# Altium PCB GE21_M1_pku_f100.PcbDoc (part 14 of 19) (continued)
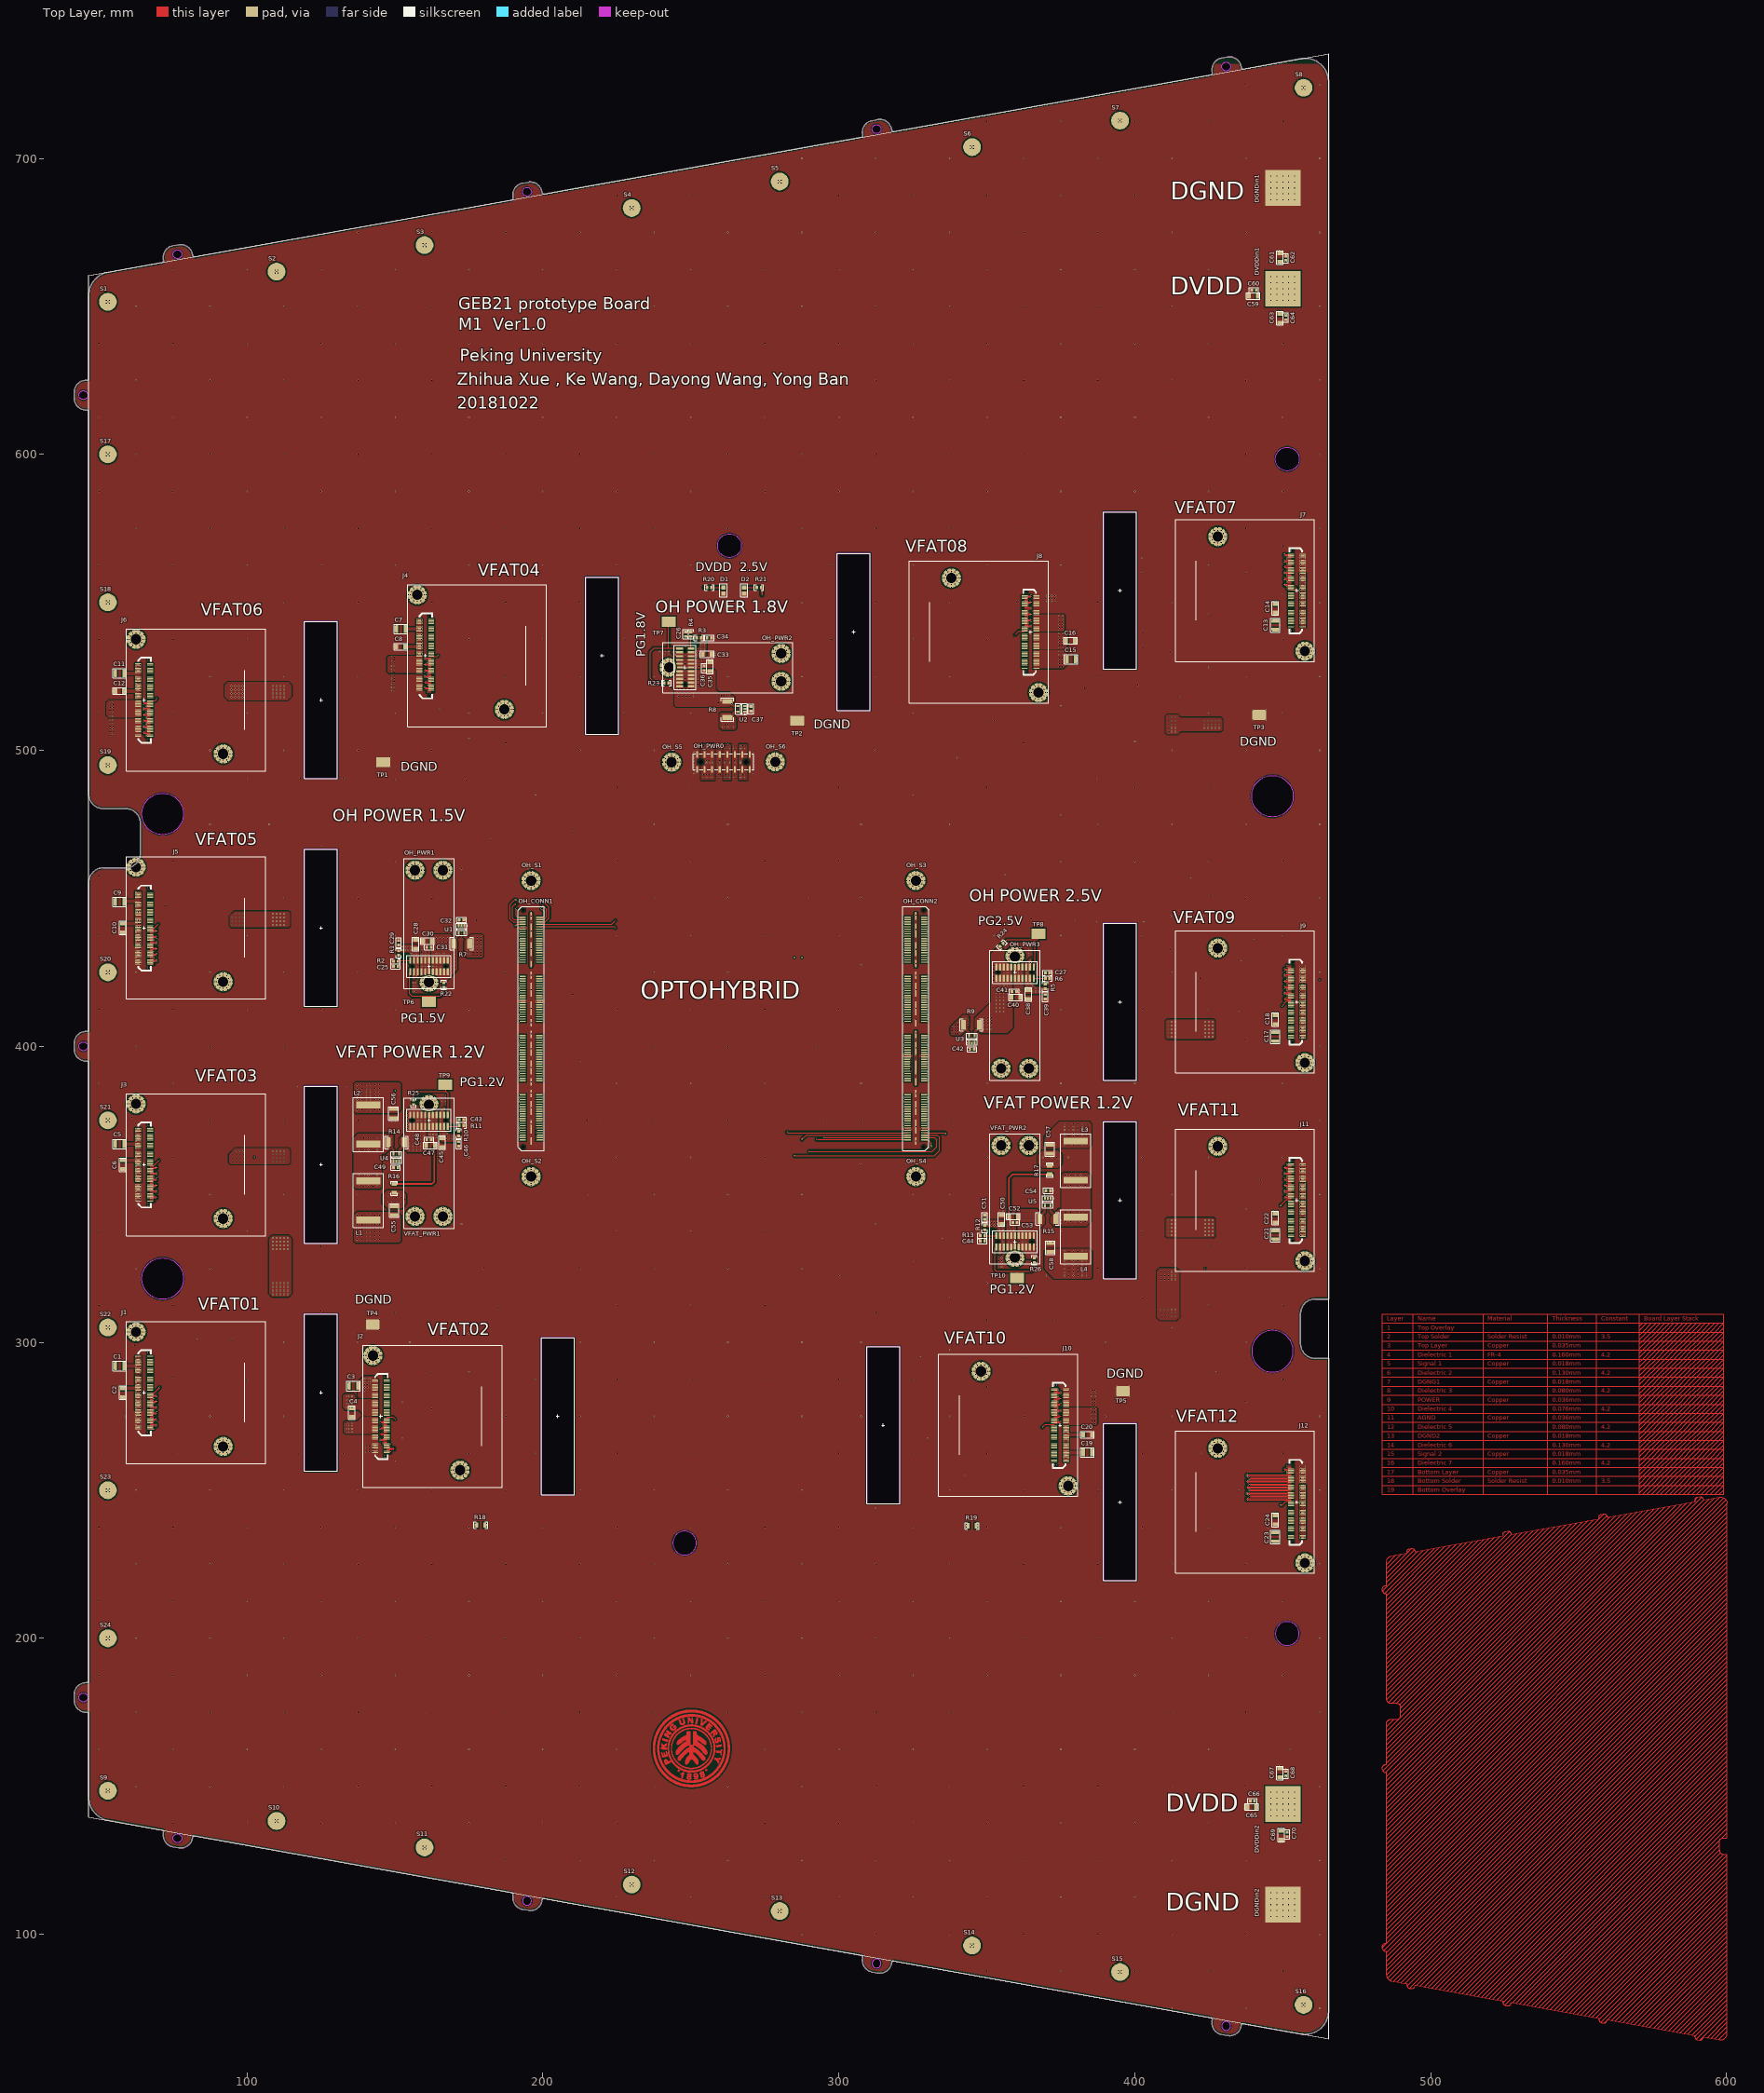
[diagram p0: Top Layer view]
## Nets (pads, with @x,y where several pads share a name; then routed paths per layer and width w, separated by ;. In a path a pad name is that pad's centre, name@x,y a point inside that pad or via, vN(x,y) a via of type N, cw(c..) or ccw(c..) an arc to the next point about the centre after c; other vN are vias at no path point) (continued)
; 249.671,152.95 250.128,152.95 ; 249.671,153.027 250.153,153.027 ; 249.671,153.052 250.153,153.052 ; 249.671,153.077 250.128,153.077 ; 249.671,153.103 250.128,153.103 ; 249.671,153.128 250.128,153.128 ; 249.671,153.154 250.102,153.154 ; 249.671,153.662 250.102,153.662 ; 249.671,154.068 250.128,154.068 ; 249.671,163.796 250.788,163.796 ; 249.671,172.28 250.712,172.28 ; 249.696,152.976 250.153,152.976 ; 249.696,153.001 250.153,153.001 ; 249.696,153.687 250.128,153.687 ; 249.696,153.712 250.128,153.712 ; 249.696,154.043 250.153,154.043 ; 249.696,154.855 250.636,154.855 ; 249.696,163.822 250.737,163.822 ; 249.696,170.832 250.661,170.832 ; 249.696,172.254 250.712,172.254 ; 249.721,153.738 250.153,153.738 ; 249.721,154.017 250.153,154.017 ; 249.721,172.229 250.712,172.229 ; 249.747,153.763 250.153,153.763 ; 249.747,153.789 250.153,153.789 ; 249.747,153.814 250.153,153.814 ; 249.747,153.966 250.153,153.966 ; 249.747,153.992 250.153,153.992 ; 249.747,163.847 250.687,163.847 ; 249.747,172.204 250.712,172.204 ; 249.772,153.839 250.179,153.839 ; 249.772,153.865 250.179,153.865 ; 249.772,153.89 250.179,153.89 ; 249.772,153.916 250.179,153.916 ; 249.772,153.941 250.153,153.941 ; 249.772,163.872 250.636,163.872 ; 249.772,172.153 250.712,172.153 ; 249.772,172.178 250.712,172.178 ; 249.798,172.127 250.712,172.127 ; 249.823,163.898 250.61,163.898 ; 249.823,172.077 250.712,172.077 ; 249.823,172.102 250.712,172.102 ; 249.848,172.051 250.712,172.051 ; 249.874,172.026 250.737,172.026 ; 249.899,163.923 250.585,163.923 ; 249.899,171.975 250.737,171.975 ; 249.899,172 250.737,172 ; 249.925,171.95 250.737,171.95 ; 249.95,171.899 250.737,171.899 ; 249.95,171.924 250.737,171.924 ; 249.975,171.848 250.737,171.848 ; 249.975,171.873 250.737,171.873 ; 250.001,163.949 250.458,163.949 ; 250.001,171.823 250.737,171.823 ; 250.026,171.797 250.737,171.797 ; 250.052,171.746 250.737,171.746 ; 250.052,171.772 250.737,171.772 ; 250.077,171.721 250.763,171.721 ; 250.102,171.67 250.763,171.67 ; 250.102,171.696 250.763,171.696 ; 250.128,171.645 250.763,171.645 ; 250.153,171.594 250.763,171.594 ; 250.153,171.619 250.763,171.619 ; 250.179,171.569 250.763,171.569 ; 250.204,171.543 250.763,171.543 ; 250.229,171.518 250.763,171.518 ; 250.255,151.934 253.862,151.934 ; 250.255,171.492 250.763,171.492 ; 250.255,173.118 250.687,173.118 ; 250.255,173.143 250.687,173.143 ; 250.255,173.169 250.687,173.169 ; 250.255,173.194 250.687,173.194 ; 250.255,173.22 250.687,173.22 ; 250.255,173.245 250.687,173.245 ; 250.255,173.27 250.687,173.27 ; 250.255,173.296 250.687,173.296 ; 250.28,159.3 252.084,159.3 ; 250.28,171.467 250.712,171.467 ; 250.28,172.331 250.712,172.331 ; 250.28,172.356 250.712,172.356 ; 250.28,172.381 250.712,172.381 ; 250.28,172.407 250.712,172.407 ; 250.28,172.432 250.712,172.432 ; 250.28,172.458 250.712,172.458 ; 250.28,172.483 250.712,172.483 ; 250.28,172.508 250.712,172.508 ; 250.28,172.534 250.712,172.534 ; 250.28,172.559 250.712,172.559 ; 250.28,172.585 250.687,172.585 ; 250.28,172.61 250.687,172.61 ; 250.28,172.635 250.687,172.635 ; 250.28,172.661 250.687,172.661 ; 250.28,172.686 250.687,172.686 ; 250.28,172.712 250.687,172.712 ; 250.28,172.737 250.687,172.737 ; 250.28,172.762 250.687,172.762 ; 250.28,172.788 250.687,172.788 ; 250.28,172.813 250.687,172.813 ; 250.28,172.839 250.687,172.839 ; 250.28,172.864 250.687,172.864 ; 250.28,172.889 250.687,172.889 ; 250.28,172.915 250.687,172.915 ; 250.28,172.94 250.687,172.94 ; 250.28,172.966 250.687,172.966 ; 250.28,172.991 250.687,172.991 ; 250.28,173.016 250.687,173.016 ; 250.28,173.042 250.687,173.042 ; 250.28,173.067 250.687,173.067 ; 250.28,173.093 250.687,173.093 ; 250.306,173.321 250.687,173.321 ; 250.356,171.442 250.687,171.442 ; 250.382,173.347 250.534,173.347 ; 250.433,159.275 252.084,159.275 ; 250.509,159.25 252.109,159.25 ; 250.534,159.224 252.134,159.224 ; 250.56,159.199 252.16,159.199 ; 250.585,159.173 252.16,159.173 ; 250.61,159.148 252.185,159.148 ; 250.636,156.202 251.931,156.202 ; 250.636,159.123 252.211,159.123 ; 250.636,169.486 251.906,169.486 ; 250.687,159.097 252.236,159.097 ; 250.712,150.537 254.37,150.537 ; 250.712,159.072 252.236,159.072 ; 250.712,164.203 253.481,164.203 ; 250.712,164.228 253.455,164.228 ; 250.712,164.253 253.43,164.253 ; 250.712,164.279 253.404,164.279 ; 250.712,164.304 253.354,164.304 ; 250.712,164.33 253.328,164.33 ; 250.712,164.355 253.303,164.355 ; 250.712,164.38 253.252,164.38 ; 250.712,164.406 253.227,164.406 ; 250.712,164.431 253.201,164.431 ; 250.712,164.457 253.15,164.457 ; 250.712,164.482 253.125,164.482 ; 250.712,164.507 253.074,164.507 ; 250.712,164.533 253.049,164.533 ; 250.712,164.558 252.998,164.558 ; 250.712,164.584 252.973,164.584 ; 250.712,164.609 252.922,164.609 ; 250.712,164.634 252.896,164.634 ; 250.712,164.66 252.846,164.66 ; 250.712,164.685 252.82,164.685 ; 250.712,164.711 252.769,164.711 ; 250.712,164.736 252.744,164.736 ; 250.712,164.761 252.693,164.761 ; 250.712,164.787 252.642,164.787 ; 250.712,164.812 252.617,164.812 ; 250.712,164.838 252.566,164.838 ; 250.712,164.863 252.541,164.863 ; 250.712,164.888 252.49,164.888 ; 250.712,175.15 254.37,175.15 ; 250.737,159.046 252.261,159.046 ; 250.737,164.177 253.531,164.177 ; 250.737,164.914 252.439,164.914 ; 250.737,164.939 252.414,164.939 ; 250.737,164.965 252.363,164.965 ; 250.737,164.99 252.312,164.99 ; 250.737,165.015 252.287,165.015 ; 250.737,165.041 252.236,165.041 ; 250.737,165.066 252.185,165.066 ; 250.737,165.092 252.134,165.092 ; 250.737,165.117 252.109,165.117 ; 250.737,165.142 252.109,165.142 ; 250.737,165.168 252.109,165.168 ; 250.737,165.193 252.109,165.193 ; 250.737,165.219 252.109,165.219 ; 250.737,165.244 252.084,165.244 ; 250.737,165.269 252.084,165.269 ; 250.737,165.295 252.084,165.295 ; 250.737,165.32 252.084,165.32 ; 250.737,165.346 252.084,165.346 ; 250.737,165.371 252.084,165.371 ; 250.737,165.396 252.084,165.396 ; 250.737,165.422 252.084,165.422 ; 250.737,165.447 252.084,165.447 ; 250.737,165.473 252.084,165.473 ; 250.737,165.498 252.084,165.498 ; 250.737,165.523 252.084,165.523 ; 250.737,165.549 252.084,165.549 ; 250.737,165.574 252.084,165.574 ; 250.737,165.6 252.084,165.6 ; 250.737,165.625 252.109,165.625 ; 250.737,165.65 252.109,165.65 ; 250.737,165.676 252.134,165.676 ; 250.737,165.701 252.16,165.701 ; 250.737,165.727 252.185,165.727 ; 250.737,165.752 254.471,165.752 ; 250.737,165.777 254.446,165.777 ; 250.737,165.803 254.395,165.803 ; 250.737,165.828 254.37,165.828 ; 250.737,165.854 254.344,165.854 ; 250.737,165.879 254.319,165.879 ; 250.737,165.904 254.268,165.904 ; 250.737,165.93 254.243,165.93 ; 250.737,165.955 254.217,165.955 ; 250.737,165.981 254.192,165.981 ; 250.737,166.006 254.141,166.006 ; 250.737,166.031 254.116,166.031 ; 250.737,166.057 254.065,166.057 ; 250.737,166.082 254.039,166.082 ; 250.737,166.108 254.014,166.108 ; 250.737,166.133 253.989,166.133 ; 250.737,166.158 253.938,166.158 ; 250.737,166.184 253.912,166.184 ; 250.737,166.209 253.887,166.209 ; 250.737,166.235 253.836,166.235 ; 250.737,166.26 253.811,166.26 ; 250.737,166.285 253.785,166.285 ; 250.737,166.311 253.735,166.311 ; 250.737,166.336 253.709,166.336 ; 250.737,166.362 253.658,166.362 ; 250.737,166.387 253.633,166.387 ; 250.737,166.412 253.582,166.412 ; 250.737,166.438 253.557,166.438 ; 250.737,166.463 253.506,166.463 ; 250.737,166.489 253.481,166.489 ; 250.737,166.514 253.43,166.514 ; 250.737,166.539 253.379,166.539 ; 250.737,166.565 253.354,166.565 ; 250.737,166.59 253.303,166.59 ; 250.737,166.616 253.252,166.616 ; 250.737,166.641 253.201,166.641 ; 250.737,166.666 253.176,166.666 ; 250.737,166.692 253.125,166.692 ; 250.737,166.717 253.074,166.717 ; 250.737,166.743 253.023,166.743 ; 250.737,166.768 252.998,166.768 ; 250.737,166.793 252.947,166.793 ; 250.737,166.819 252.896,166.819 ; 250.737,166.844 252.846,166.844 ; 250.737,166.87 252.82,166.87 ; 250.737,166.895 252.769,166.895 ; 250.737,166.92 252.719,166.92 ; 250.737,166.946 252.668,166.946 ; 250.737,166.971 252.617,166.971 ; 250.737,166.997 252.592,166.997 ; 250.737,167.022 252.541,167.022 ; 250.737,167.047 252.49,167.047 ; 250.737,167.073 252.439,167.073 ; 250.737,167.098 252.388,167.098 ; 250.737,167.124 252.338,167.124 ; 250.737,167.149 252.312,167.149 ; 250.737,167.174 252.261,167.174 ; 250.737,167.2 252.211,167.2 ; 250.737,167.225 252.16,167.225 ; 250.737,167.251 252.134,167.251 ; 250.737,167.276 252.084,167.276 ; 250.737,167.301 252.033,167.301 ; 250.737,167.327 251.982,167.327 ; 250.737,167.352 251.982,167.352 ; 250.737,167.378 251.982,167.378 ; 250.737,167.403 251.957,167.403 ; 250.737,167.428 251.957,167.428 ; 250.737,167.454 251.957,167.454 ; 250.737,167.479 251.957,167.479 ; 250.737,167.505 251.957,167.505 ; 250.737,167.53 251.957,167.53 ; 250.737,167.555 251.957,167.555 ; 250.737,167.581 251.957,167.581 ; 250.737,167.606 251.957,167.606 ; 250.737,167.632 251.957,167.632 ; 250.737,167.657 251.957,167.657 ; 250.737,167.682 251.957,167.682 ; 250.737,167.708 251.931,167.708 ; 250.737,167.733 251.931,167.733 ; 250.737,167.759 251.931,167.759 ; 250.737,167.784 251.931,167.784 ; 250.737,167.809 251.931,167.809 ; 250.737,167.835 251.931,167.835 ; 250.737,167.86 251.931,167.86 ; 250.737,167.886 251.931,167.886 ; 250.737,167.911 251.931,167.911 ; 250.737,167.936 251.931,167.936 ; 250.737,167.962 251.931,167.962 ; 250.737,167.987 251.931,167.987 ; 250.737,168.013 251.906,168.013 ; 250.737,168.038 251.906,168.038 ; 250.737,168.063 251.906,168.063 ; 250.737,168.089 251.906,168.089 ; 250.737,168.114 251.906,168.114 ; 250.737,168.14 251.906,168.14 ; 250.737,168.165 251.906,168.165 ; 250.737,168.19 251.906,168.19 ; 250.737,168.216 251.88,168.216 ; 250.737,168.241 251.88,168.241 ; 250.737,168.267 251.88,168.267 ; 250.737,168.292 251.88,168.292 ; 250.737,168.317 251.88,168.317 ; 250.737,168.343 251.855,168.343 ; 250.737,168.368 251.855,168.368 ; 250.763,159.021 252.287,159.021 ; 250.763,164.152 253.557,164.152 ; 250.763,168.394 251.855,168.394 ; 250.763,168.419 251.83,168.419 ; 250.788,158.996 252.287,158.996 ; 250.788,164.126 253.582,164.126 ; 250.788,168.444 251.804,168.444 ; 250.788,168.47 251.779,168.47 ; 250.788,170.4 252.82,170.4 ; 250.814,155.287 252.82,155.287 ; 250.814,158.97 252.312,158.97 ; 250.814,168.495 251.753,168.495 ; 250.839,158.919 252.363,158.919 ; 250.839,158.945 252.338,158.945 ; 250.839,164.101 253.608,164.101 ; 250.839,168.521 251.703,168.521 ; 250.864,158.894 252.363,158.894 ; 250.89,153.611 251.347,153.611 ; 250.89,153.636 251.322,153.636 ; 250.89,153.662 251.322,153.662 ; 250.89,153.687 251.322,153.687 ; 250.89,153.712 251.296,153.712 ; 250.89,153.738 251.296,153.738 ; 250.89,153.763 251.296,153.763 ; 250.89,153.789 251.296,153.789 ; 250.89,153.814 251.296,153.814 ; 250.89,153.839 251.296,153.839 ; 250.89,153.865 251.296,153.865 ; 250.89,153.89 251.296,153.89 ; 250.89,153.916 251.296,153.916 ; 250.89,158.869 252.388,158.869 ; 250.89,161.866 252.82,161.866 ; 250.89,168.546 251.626,168.546 ; 250.89,169.46 252.007,169.46 ; 250.89,173.728 253.938,173.728 ; 250.915,151.96 253.938,151.96 ; 250.915,153.535 251.372,153.535 ; 250.915,153.56 251.347,153.56 ; 250.915,153.585 251.347,153.585 ; 250.915,153.941 251.322,153.941 ; 250.915,153.966 251.322,153.966 ; 250.915,153.992 251.322,153.992 ; 250.915,154.017 251.347,154.017 ; 250.915,156.227 252.007,156.227 ; 250.915,158.843 252.414,158.843 ; 250.915,164.076 253.658,164.076 ; 250.941,153.458 251.449,153.458 ; 250.941,153.484 251.423,153.484 ; 250.941,153.509 251.398,153.509 ; 250.941,154.043 251.347,154.043 ; 250.941,154.068 251.372,154.068 ; 250.941,158.818 252.414,158.818 ; 250.966,153.408 252.439,153.408 ; 250.966,153.433 251.499,153.433 ; 250.966,154.093 251.398,154.093 ; 250.966,154.119 251.423,154.119 ; 250.966,158.792 252.414,158.792 ; 250.966,161.84 252.846,161.84 ; 250.966,168.571 251.474,168.571 ; 250.991,153.382 252.439,153.382 ; 250.991,154.144 251.474,154.144 ; 250.991,158.742 252.439,158.742 ; 250.991,158.767 252.439,158.767 ; 250.991,161.815 252.871,161.815 ; 250.991,164.05 253.684,164.05 ; 251.017,153.331 252.439,153.331 ; 251.017,153.357 252.439,153.357 ; 251.017,154.17 252.236,154.17 ; 251.017,158.716 252.439,158.716 ; 251.042,153.306 251.931,153.306 ; 251.042,154.195 252.211,154.195 ; 251.042,155.313 252.871,155.313 ; 251.042,158.691 252.465,158.691 ; 251.042,161.79 252.922,161.79 ; 251.068,153.281 251.88,153.281 ; 251.068,154.22 252.185,154.22 ; 251.068,158.665 252.465,158.665 ; 251.068,170.375 252.871,170.375 ; 251.093,153.255 251.83,153.255 ; 251.093,154.246 252.16,154.246 ; 251.093,158.615 252.465,158.615 ; 251.093,158.64 252.465,158.64 ; 251.093,161.764 252.947,161.764 ; 251.093,164.025 253.709,164.025 ; 251.093,169.435 252.109,169.435 ; 251.118,152.671 251.703,152.671 ; 251.118,152.696 251.652,152.696 ; 251.118,153.23 251.753,153.23 ; 251.118,156.252 252.109,156.252 ; 251.118,158.589 252.49,158.589 ; 251.144,150.563 254.446,150.563 ; 251.144,152.62 252.211,152.62 ; 251.144,152.646 252.211,152.646 ; 251.144,152.722 251.601,152.722 ; 251.144,154.271 252.134,154.271 ; 251.144,158.564 252.49,158.564 ; 251.144,175.125 254.446,175.125 ; 251.169,152.595 252.16,152.595 ; 251.169,153.204 251.703,153.204 ; 251.169,154.297 252.109,154.297 ; 251.169,158.513 252.49,158.513 ; 251.169,158.538 252.49,158.538 ; 251.169,161.739 252.973,161.739 ; 251.169,163.999 253.735,163.999 ; 251.195,158.488 252.49,158.488 ; 251.22,151.985 254.014,151.985 ; 251.22,152.569 252.134,152.569 ; 251.22,152.747 251.601,152.747 ; 251.22,153.179 251.626,153.179 ; 251.22,154.322 252.058,154.322 ; 251.22,158.437 252.515,158.437 ; 251.22,158.462 252.515,158.462 ; 251.22,161.713 252.998,161.713 ; 251.22,168.597 251.372,168.597 ; 251.22,173.702 253.989,173.702 ; 251.245,155.338 252.947,155.338 ; 251.245,158.411 252.515,158.411 ; 251.245,161.688 253.023,161.688 ; 251.245,170.349 252.947,170.349 ; 251.271,152.544 252.084,152.544 ; 251.271,153.154 251.525,153.154 ; 251.271,154.347 252.033,154.347 ; 251.271,156.278 252.185,156.278 ; 251.271,158.361 252.515,158.361 ; 251.271,158.386 252.515,158.386 ; 251.271,163.974 253.76,163.974 ; 251.271,169.41 252.185,169.41 ; 251.296,152.773 251.55,152.773 ; 251.296,158.335 252.515,158.335 ; 251.296,161.663 253.049,161.663 ; 251.322,152.519 252.033,152.519 ; 251.322,158.284 252.515,158.284 ; 251.322,158.31 252.515,158.31 ; 251.322,161.637 253.1,161.637 ; 251.347,152.493 251.982,152.493 ; 251.347,152.798 251.525,152.798 ; 251.347,154.373 251.982,154.373 ; 251.347,158.259 252.515,158.259 ; 251.347,161.612 253.125,161.612 ; 251.347,163.949 253.811,163.949 ; 251.372,152.468 251.88,152.468 ; 251.372,158.208 252.515,158.208 ; 251.372,158.234 252.515,158.234 ; 251.372,161.586 253.15,161.586 ; 251.398,152.442 251.677,152.442 ; 251.398,152.823 251.474,152.823 ; 251.398,156.303 252.261,156.303 ; 251.398,158.183 252.541,158.183 ; 251.398,163.923 253.836,163.923 ; 251.398,169.384 252.261,169.384 ; 251.423,150.588 254.522,150.588 ; 251.423,154.398 251.906,154.398 ; 251.423,155.363 253.023,155.363 ; 251.423,158.132 252.541,158.132 ; 251.423,158.157 252.541,158.157 ; 251.423,161.561 253.176,161.561 ; 251.423,170.324 253.023,170.324 ; 251.449,152.011 254.065,152.011 ; 251.449,158.107 252.515,158.107 ; 251.449,161.536 253.201,161.536 ; 251.449,173.677 254.065,173.677 ; 251.449,175.099 254.522,175.099 ; 251.474,158.056 252.515,158.056 ; 251.474,158.081 252.515,158.081 ; 251.474,161.51 253.227,161.51 ; 251.474,163.898 253.862,163.898 ; 251.499,154.424 251.804,154.424 ; 251.499,158.03 252.515,158.03 ; 251.499,161.485 253.252,161.485 ; 251.525,157.98 252.515,157.98 ; 251.525,158.005 252.515,158.005 ; 251.525,161.459 253.277,161.459 ; 251.525,163.872 253.887,163.872 ; 251.55,156.329 252.338,156.329 ; 251.55,157.929 252.515,157.929 ; 251.55,157.954 252.515,157.954 ; 251.55,169.359 252.338,169.359 ; 251.55,170.299 253.1,170.299 ; 251.55,171.34 252.058,171.34 ; 251.55,171.365 252.084,171.365 ; 251.55,171.391 252.084,171.391 ; 251.55,171.416 252.084,171.416 ; 251.576,155.389 253.1,155.389 ; 251.576,157.903 252.515,157.903 ; 251.576,161.434 253.303,161.434 ; 251.576,171.315 252.033,171.315 ; 251.576,171.442 252.109,171.442 ; 251.601,157.853 252.49,157.853 ; 251.601,157.878 252.515,157.878 ; 251.601,161.409 253.328,161.409 ; 251.601,163.847 253.912,163.847 ; 251.601,171.289 252.033,171.289 ; 251.601,171.467 252.109,171.467 ; 251.601,171.492 252.109,171.492 ; 251.626,157.827 252.49,157.827 ; 251.626,171.518 252.109,171.518 ; 251.626,171.543 252.109,171.543 ; 251.652,150.614 254.598,150.614 ; 251.652,152.036 254.141,152.036 ; 251.652,156.354 252.414,156.354 ; 251.652,157.802 252.465,157.802 ; 251.652,161.383 253.354,161.383 ; 251.652,163.822 253.938,163.822 ; 251.652,169.333 252.414,169.333 ; 251.652,171.569 252.109,171.569 ; 251.652,171.594 252.134,171.594 ; 251.652,171.619 252.134,171.619 ; 251.652,173.651 254.141,173.651 ; 251.677,154.144 252.236,154.144 ; 251.677,157.751 252.439,157.751 ; 251.677,157.776 252.439,157.776 ; 251.677,161.358 253.379,161.358 ; 251.677,171.645 252.134,171.645 ; 251.677,171.67 252.134,171.67 ; 251.677,171.696 252.134,171.696 ; 251.677,171.721 252.16,171.721 ; 251.677,171.746 252.16,171.746 ; 251.677,171.772 252.16,171.772 ; 251.677,171.797 252.16,171.797 ; 251.677,171.823 252.16,171.823 ; 251.677,171.848 252.185,171.848 ; 251.677,175.074 254.598,175.074 ; 251.703,155.414 253.15,155.414 ; 251.703,157.726 252.414,157.726 ; 251.703,163.796 253.963,163.796 ; 251.703,170.273 253.15,170.273 ; 251.703,171.873 252.185,171.873 ; 251.703,171.899 252.185,171.899 ; 251.703,171.924 252.185,171.924 ; 251.703,171.95 252.185,171.95 ; 251.703,171.975 252.211,171.975 ; 251.703,172 252.211,172 ; 251.728,154.119 252.261,154.119 ; 251.728,157.7 252.388,157.7 ; 251.728,161.332 253.43,161.332 ; 251.728,163.771 253.989,163.771 ; 251.728,171.264 252.033,171.264 ; 251.728,172.026 252.211,172.026 ; 251.728,172.051 252.211,172.051 ; 251.728,172.077 252.211,172.077 ; 251.753,153.433 252.439,153.433 ; 251.753,156.379 252.49,156.379 ; 251.753,157.675 252.388,157.675 ; 251.753,161.307 253.455,161.307 ; 251.753,169.308 252.49,169.308 ; 251.753,172.102 252.236,172.102 ; 251.753,172.127 252.236,172.127 ; 251.779,154.093 252.261,154.093 ; 251.779,157.649 252.363,157.649 ; 251.779,161.282 253.481,161.282 ; 251.779,163.745 254.014,163.745 ; 251.779,172.153 252.236,172.153 ; 251.779,172.178 252.236,172.178 ; 251.779,172.204 252.261,172.204 ; 251.779,172.229 252.261,172.229 ; 251.779,172.254 252.261,172.254 ; 251.779,172.28 252.261,172.28 ; 251.779,172.305 252.261,172.305 ; 251.779,172.331 252.287,172.331 ; 251.779,172.356 252.287,172.356 ; 251.779,172.381 252.287,172.381 ; 251.779,172.407 252.287,172.407 ; 251.779,172.432 252.287,172.432 ; 251.804,153.458 252.439,153.458 ; 251.804,154.068 252.261,154.068 ; 251.804,157.624 252.338,157.624 ; 251.804,161.256 253.506,161.256 ; 251.804,172.458 252.312,172.458 ; 251.804,172.483 252.312,172.483 ; 251.804,172.508 252.312,172.508 ; 251.83,152.061 254.217,152.061 ; 251.83,152.671 252.236,152.671 ; 251.83,153.484 252.439,153.484 ; 251.83,154.043 252.287,154.043 ; 251.83,155.44 253.227,155.44 ; 251.83,157.599 252.312,157.599 ; 251.83,161.231 253.531,161.231 ; 251.83,163.72 254.065,163.72 ; 251.83,170.248 253.227,170.248 ; 251.83,171.238 252.007,171.238 ; 251.83,172.534 252.312,172.534 ; 251.83,172.559 252.338,172.559 ; 251.83,172.585 252.338,172.585 ; 251.83,173.626 254.217,173.626 ; 251.855,150.639 254.649,150.639 ; 251.855,152.696 252.261,152.696 ; 251.855,153.509 252.439,153.509 ; 251.855,153.992 252.312,153.992 ; 251.855,154.017 252.312,154.017 ; 251.855,156.405 252.566,156.405 ; 251.855,161.205 253.557,161.205 ; 251.855,163.695 254.065,163.695 ; 251.855,169.283 252.566,169.283 ; 251.855,172.61 252.338,172.61 ; 251.855,172.635 252.338,172.635 ; 251.855,172.661 252.338,172.661 ; 251.855,175.048 254.649,175.048 ; 251.88,153.535 252.439,153.535 ; 251.88,153.56 252.439,153.56 ; 251.88,153.585 252.439,153.585 ; 251.88,153.941 252.363,153.941 ; 251.88,153.966 252.338,153.966 ; 251.88,157.573 252.287,157.573 ; 251.88,161.18 253.582,161.18 ; 251.88,163.669 254.116,163.669 ; 251.88,171.213 252.007,171.213 ; 251.88,172.686 252.363,172.686 ; 251.88,172.712 252.363,172.712 ; 251.906,152.722 252.287,152.722 ; 251.906,153.611 252.439,153.611 ; 251.906,153.636 252.414,153.636 ; 251.906,153.662 252.414,153.662 ; 251.906,153.687 252.414,153.687 ; 251.906,153.712 252.414,153.712 ; 251.906,153.738 252.414,153.738 ; 251.906,153.763 252.414,153.763 ; 251.906,153.789 252.414,153.789 ; 251.906,153.814 252.388,153.814 ; 251.906,153.839 252.388,153.839 ; 251.906,153.865 252.388,153.865 ; 251.906,153.89 252.388,153.89 ; 251.906,153.916 252.363,153.916 ; 251.906,172.737 252.363,172.737 ; 251.906,172.762 252.363,172.762 ; 251.906,172.788 252.363,172.788 ; 251.906,172.813 252.388,172.813 ; 251.931,152.747 252.312,152.747 ; 251.931,155.465 253.277,155.465 ; 251.931,157.548 252.236,157.548 ; 251.931,161.155 253.608,161.155 ; 251.931,163.644 254.141,163.644 ; 251.931,170.222 253.277,170.222 ; 251.931,172.839 252.388,172.839 ; 251.931,172.864 252.388,172.864 ; 251.931,172.889 252.388,172.889 ; 251.931,172.915 252.388,172.915 ; 251.957,152.773 252.312,152.773 ; 251.957,156.43 252.617,156.43 ; 251.957,161.129 253.633,161.129 ; 251.957,169.257 252.617,169.257 ; 251.957,172.94 252.414,172.94 ; 251.957,172.966 252.414,172.966 ; 251.957,172.991 252.414,172.991 ; 251.957,173.016 252.414,173.016 ; 251.957,173.042 252.312,173.042 ; 251.957,173.067 252.261,173.067 ; 251.957,173.093 252.211,173.093 ; 251.957,173.118 252.134,173.118 ; 251.957,173.143 252.058,173.143 ; 251.982,152.087 254.268,152.087 ; 251.982,152.798 252.338,152.798 ; 251.982,152.823 252.338,152.823 ; 251.982,161.104 253.658,161.104 ; 251.982,163.618 254.166,163.618 ; 251.982,173.601 254.268,173.601 ; 252.007,152.849 252.363,152.849 ; 252.007,152.874 252.363,152.874 ; 252.007,161.078 253.684,161.078 ; 252.033,152.9 252.388,152.9 ; 252.033,152.925 252.388,152.925 ; 252.033,153.306 252.439,153.306 ; 252.033,155.49 253.328,155.49 ; 252.033,157.522 252.134,157.522 ; 252.033,161.053 253.709,161.053 ; 252.033,163.593 254.192,163.593 ; 252.033,170.197 253.328,170.197 ; 252.058,150.664 254.725,150.664 ; 252.058,152.95 252.388,152.95 ; 252.058,152.976 252.414,152.976 ; 252.058,153.001 252.414,153.001 ; 252.058,153.027 252.414,153.027 ; 252.058,153.052 252.414,153.052 ; 252.058,153.077 252.414,153.077 ; 252.058,153.103 252.439,153.103 ; 252.058,153.128 252.439,153.128 ; 252.058,153.154 252.439,153.154 ; 252.058,153.179 252.439,153.179 ; 252.058,153.204 252.439,153.204 ; 252.058,153.23 252.439,153.23 ; 252.058,153.255 252.439,153.255 ; 252.058,153.281 252.439,153.281 ; 252.058,156.456 252.693,156.456 ; 252.058,161.028 253.735,161.028 ; 252.058,169.232 252.693,169.232 ; 252.058,175.023 254.725,175.023 ; 252.084,161.002 253.76,161.002 ; 252.084,163.568 254.217,163.568 ; 252.109,160.977 253.785,160.977 ; 252.134,152.112 254.344,152.112 ; 252.134,155.516 253.404,155.516 ; 252.134,156.481 252.769,156.481 ; 252.134,160.951 253.811,160.951 ; 252.134,163.542 254.243,163.542 ; 252.134,169.206 252.744,169.206 ; 252.134,170.172 253.404,170.172 ; 252.134,173.575 254.344,173.575 ; 252.16,160.926 253.836,160.926 ; 252.16,163.517 254.268,163.517 ; 252.185,160.901 253.862,160.901 ; 252.185,163.491 254.293,163.491 ; 252.211,150.69 254.801,150.69 ; 252.211,160.875 253.887,160.875 ; 252.211,169.181 252.82,169.181 ; 252.211,174.998 254.801,174.998 ; 252.236,155.541 253.455,155.541 ; 252.236,156.506 252.82,156.506 ; 252.236,160.85 253.887,160.85 ; 252.236,163.466 254.319,163.466 ; 252.236,170.146 253.455,170.146 ; 252.261,152.138 254.42,152.138 ; 252.261,160.824 253.912,160.824 ; 252.261,163.441 254.344,163.441 ; 252.261,173.55 254.42,173.55 ; 252.287,156.532 252.896,156.532 ; 252.287,160.799 253.963,160.799 ; 252.287,165.727 254.497,165.727 ; 252.287,169.156 252.871,169.156 ; 252.312,155.567 253.506,155.567 ; 252.312,160.774 253.963,160.774 ; 252.312,163.415 254.344,163.415 ; 252.312,170.121 253.506,170.121 ; 252.338,160.748 253.989,160.748 ; 252.338,163.39 254.37,163.39 ; 252.363,150.715 254.878,150.715 ; 252.363,156.557 252.947,156.557 ; 252.363,160.723 254.014,160.723 ; 252.363,163.364 254.395,163.364 ; 252.363,165.701 254.522,165.701 ; 252.363,169.13 252.947,169.13 ; 252.363,174.972 254.878,174.972 ; 252.388,152.163 254.471,152.163 ; 252.388,160.697 254.039,160.697 ; 252.388,163.339 254.42,163.339 ; 252.388,173.524 254.471,173.524 ; 252.414,155.592 253.557,155.592 ; 252.414,160.647 254.09,160.647 ; 252.414,160.672 254.065,160.672 ; 252.414,170.095 253.557,170.095 ; 252.439,156.583 252.998,156.583 ; 252.439,160.621 254.116,160.621 ; 252.439,163.314 254.446,163.314 ; 252.439,165.676 254.547,165.676 ; 252.439,169.105 252.998,169.105 ; 252.465,155.617 253.633,155.617 ; 252.465,160.596 254.141,160.596 ; 252.465,163.288 254.471,163.288 ; 252.49,150.741 254.928,150.741 ; 252.49,160.57 254.166,160.57 ; 252.49,163.263 254.497,163.263 ; 252.49,170.07 253.608,170.07 ; 252.49,174.947 254.928,174.947 ; 252.515,152.188 254.522,152.188 ; 252.515,156.608 253.049,156.608 ; 252.515,160.545 254.192,160.545 ; 252.515,163.237 254.522,163.237 ; 252.515,165.65 254.573,165.65 ; 252.515,169.079 253.049,169.079 ; 252.515,173.499 254.547,173.499 ; 252.541,160.52 254.192,160.52 ; 252.541,170.045 253.658,170.045 ; 252.566,155.643 253.658,155.643 ; 252.566,156.633 253.125,156.633 ; 252.566,160.494 254.217,160.494 ; 252.566,163.212 254.547,163.212 ; 252.566,169.054 253.1,169.054 ; 252.592,160.469 254.243,160.469 ; 252.592,163.187 254.573,163.187 ; 252.592,165.625 254.624,165.625 ; 252.617,155.668 253.709,155.668 ; 252.617,160.443 254.268,160.443 ; 252.617,163.161 254.573,163.161 ; 252.617,170.019 253.709,170.019 ; 252.617,173.474 254.598,173.474 ; 252.617,174.921 255.005,174.921 ; 252.642,150.766 255.005,150.766 ; 252.642,152.214 254.598,152.214 ; 252.642,156.659 253.15,156.659 ; 252.642,160.418 254.293,160.418 ; 252.642,165.6 254.649,165.6 ; 252.642,169.029 253.15,169.029 ; 252.668,160.367 254.344,160.367 ; 252.668,160.393 254.319,160.393 ; 252.668,163.136 254.598,163.136 ; 252.693,155.694 253.76,155.694 ; 252.693,156.684 253.201,156.684 ; 252.693,160.342 254.344,160.342 ; 252.693,163.11 254.624,163.11 ; 252.693,165.574 254.674,165.574 ; 252.693,169.003 253.201,169.003 ; 252.693,169.994 253.76,169.994 ; 252.719,160.316 254.37,160.316 ; 252.719,163.085 254.649,163.085 ; 252.744,150.791 255.055,150.791 ; 252.744,152.239 254.649,152.239 ; 252.744,160.291 254.395,160.291 ; 252.744,163.06 254.674,163.06 ; 252.744,165.549 254.7,165.549 ; 252.744,168.978 253.252,168.978 ; 252.744,173.448 254.649,173.448 ; 252.744,174.896 255.055,174.896 ; 252.769,155.719 253.811,155.719 ; 252.769,156.71 253.252,156.71 ; 252.769,160.266 254.42,160.266 ; 252.769,169.968 253.811,169.968 ; 252.795,160.24 254.446,160.24 ; 252.795,163.034 254.7,163.034 ; 252.795,165.523 254.725,165.523 ; 252.82,156.735 253.303,156.735 ; 252.82,160.215 254.446,160.215 ; 252.82,163.009 254.7,163.009 ; 252.82,168.952 253.303,168.952 ; 252.846,152.265 254.725,152.265 ; 252.846,155.744 253.862,155.744 ; 252.846,160.189 254.471,160.189 ; 252.846,162.983 254.725,162.983 ; 252.846,165.498 254.751,165.498 ; 252.846,169.943 253.862,169.943 ; 252.846,173.423 254.725,173.423 ; 252.871,150.817 255.106,150.817 ; 252.871,156.76 253.354,156.76 ; 252.871,160.139 254.522,160.139 ; 252.871,160.164 254.497,160.164 ; 252.871,162.958 254.751,162.958 ; 252.871,168.927 253.354,168.927 ; 252.871,174.871 255.132,174.871 ; 252.896,160.113 254.522,160.113 ; 252.896,162.933 254.776,162.933 ; 252.896,165.473 254.776,165.473 ; 252.896,169.918 253.912,169.918 ; 252.922,155.77 253.912,155.77 ; 252.922,156.786 253.404,156.786 ; 252.922,160.088 254.547,160.088 ; 252.922,165.447 254.801,165.447 ; 252.922,168.902 253.404,168.902 ; 252.947,152.29 254.776,152.29 ; 252.947,160.062 254.573,160.062 ; 252.947,162.907 254.776,162.907 ; 252.947,173.397 254.776,173.397 ; 252.973,150.842 255.182,150.842 ; 252.973,155.795 253.963,155.795 ; 252.973,160.037 254.598,160.037 ; 252.973,162.882 254.801,162.882